# KiCad board KiBoxLite_H.kicad_pcb (continued)
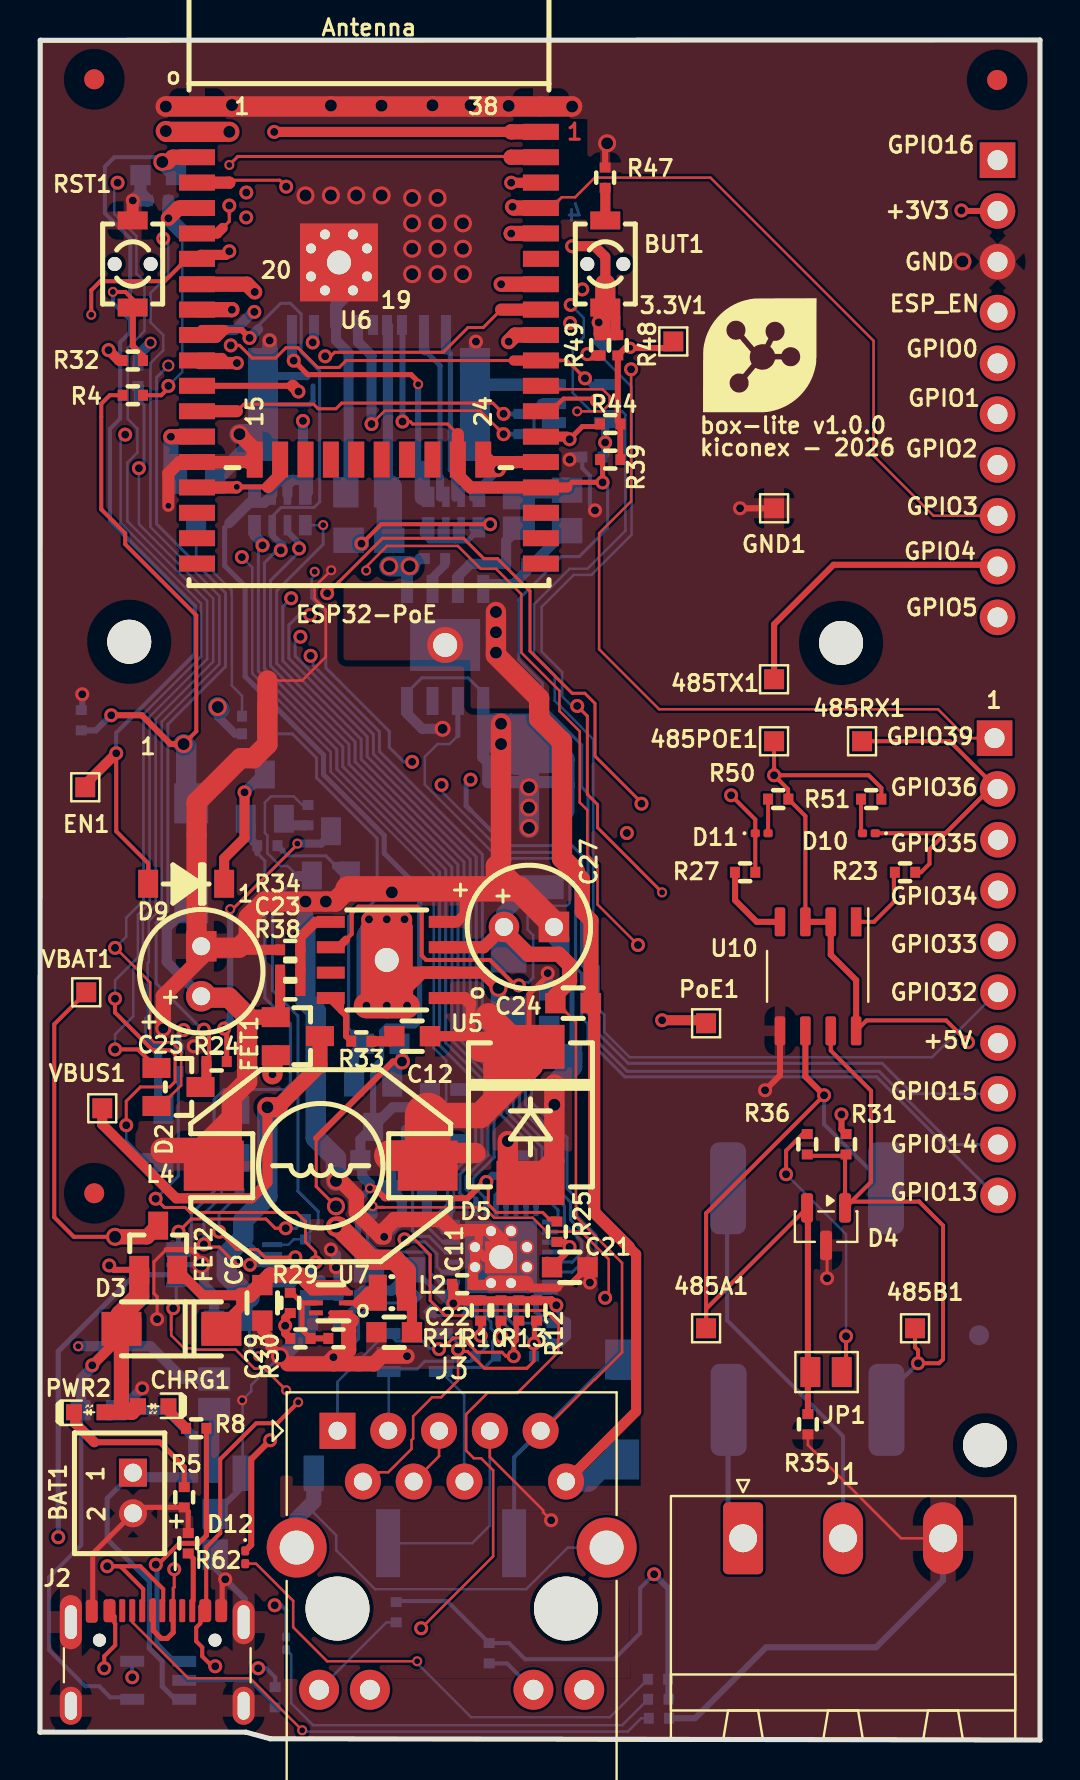
[diagram p0: board, top side]
## Routing (per net, layer and track width the routed paths; a pad name or vN(x,y) marks a point on that pad's centre or on a via; arc(x,y) is an arc through that point) (continued)
/GPIO2\HS2_DATA0: length 103.9
  Top w0.203: v1(3.75,34.53) 4.9,34.53 5.83,33.6
  Top w0.406: v1(22.92,63.52) 22.93,63.54 22.93,63.89
  Top w0.61: 23.31,63.89 22.94,63.52 v1(22.92,63.52) 22.42,64.02 U6.24 22.29,63.89 23.31,63.89 ; 23.31,63.89 23.82,63.89 23.82,63.9 U6.24
  Top w0.762: v1(22.92,63.52) 22.18,63.52
  In1.Cu w0.203: v1(22.92,63.52) 5.01,63.52 v1(4.95,63.59)
  In1.Cu w0.762: v1(22.92,63.52) 22.52,63.52
  In2.Cu w0.127: EXT1.7 47.86,63.78 46.6,63.78 42.21,68.16 42.21,69.98 39.08,73.11 26.73,73.11 24.26,70.64 23.31,70.64 21.99,69.31 21.99,64.45 v1(22.92,63.52)
  Bottom w0.127: v1(3.75,34.53) 3.75,35.28 4.67,36.19 4.67,38.54 5.15,39.02 5.15,41.08 5.79,41.72 5.79,51.04 8.66,53.92 8.66,57.08 4.95,60.8 v1(4.95,63.59)
  Bottom w0.152: 4.95,67.02 5.2,66.76 5.2,63.84 v1(4.95,63.59)
  Bottom w0.406: v1(22.92,63.52) 21.66,62.27 21.66,62.12
  Bottom w0.508: R46.1 4.95,67.65 4.95,67.02
/GPIO3\U0RXD: length 108
  Top w0.127: 47.89,61.21 44.69,61.21 41.69,64.21 41.69,69.96 33.53,78.12 27.74,78.12 26.76,77.14 26.09,77.14 25.61,76.66 v1(23.63,76.66)
  Top w0.762: v1(23.63,76.66) 23.69,76.6 U6.34
  In1.Cu w0.127: v1(6.17,75.07) 5.53,75.07 5.16,75.44 5.16,76.61 7.94,79.39 20.9,79.39 v1(23.63,76.66)
  Bottom w0.127: R16.1 5.84,34.56 5.28,35.12 5.28,36.08 5.38,36.19 5.38,38.84 5.44,38.9 5.44,40.95 6.09,41.59 6.09,50.91 8.97,53.79 8.97,57.2 5.53,60.65 5.53,68.84 6.17,69.48 6.17,70.24 5.53,70.88 5.53,72.35 6.41,73.24 6.41,74.82 v1(6.17,75.07)
  Bottom w0.406: D6.2 5.91,31.77 R19.2 R16.1
  Bottom w0.762: 5.92,31.76 D6.2
/GPIO5\SPI_CS: length 54.2
  Top w0.762: v1(23.44,69.92) 23.77,70.25 U6.29
  In2.Cu w0.11: v1(23.44,69.92) 24.53,69.92 25.81,68.64 25.81,62.8 24.87,61.86 24.87,55.12 26.06,53.93 26.06,51.59 27.46,50.19 27.46,46.29 28.96,44.79 36.54,44.79 47.89,56.13
/GPIO12\PHY_PWR: length 3.6
  Top w0.762: v1(6.55,65.16) 6.55,65.17 U6.14
  Bottom w0.762: v1(6.55,65.16) 6.55,63.33 T1.1
/GPIO13\I2C-SDA: length 68.3
  Top w0.254: 11.4,62.65 v6(9.84,62.65)
  Top w0.61: 11.4,62.65 12.01,63.26 U6.16 ; v6(9.84,62.65) 9.82,62.63 U6.16
  In1.Cu w0.15: v1(18.61,48.91) 18.93,48.91 v1(20.08,47.76)
  In2.Cu w0.152: 11.96,58.64 11.45,58.64 9.84,60.24 ; 13.69,58.39 13.74,58.44 v6(13.74,58.41)
  In2.Cu w0.203: 9.84,60.24 9.66,60.42 9.66,62.47 v6(9.84,62.65)
  In2.Cu w0.254: 11.96,58.64 13.44,58.64
  In2.Cu w0.508: 13.44,58.64 13.69,58.39
  Bottom w0.127: v6(13.74,58.41) 13.74,58.21 13.59,58.06 13.59,57.66 ; v1(20.08,47.76) 20.08,47.44 23.13,44.39
  Bottom w0.152: v1(18.61,48.91) 18.19,48.91 17.47,49.63 17.47,50.43 14.68,53.22 14.68,53.23 14.29,53.61 14.29,56.4 13.59,57.11 13.59,57.77 ; v6(13.74,58.41) 13.7,58.45 ; 23.13,44.39 26.31,44.39 26.79,43.9 26.79,38.61 27.09,38.31 27.09,36.11 27.4,35.8 27.4,35 29.25,33.16 41.84,33.16 47.77,27.23 48.34,27.23
/GPIO14\HS2_CLK: length 78.5
  Top w0.152: 9.84,66.44 10.19,66.79 13.68,66.79 13.91,66.56 14.8,66.56 15.09,66.84 22.65,66.84 v1(23.18,66.31)
  Top w0.61: U6.13 9.84,66.44
  In2.Cu w0.152: 24.63,64.87 24.63,52.9 23.95,52.21 23.95,49.42 23.22,48.68 ; v1(23.18,66.31) 23.19,66.31
  In2.Cu w0.254: 24.63,65.22 24.63,64.87
  In2.Cu w0.305: 23.22,48.68 22.07,48.68
  In2.Cu w0.508: 21.53,48.15 v1(21.53,48.02) ; 23.54,66.31 24.63,65.22
  In2.Cu w0.762: 22.07,48.68 21.53,48.15 ; 23.19,66.31 23.54,66.31
  Bottom w0.152: 23.31,44.72 26.61,44.72 27.1,44.23 27.1,38.74 27.4,38.44 27.4,36.31 27.68,36.03 27.68,35.12 29.36,33.44 41.96,33.44 45.63,29.77 EXT2.9 48.34,30.2 48.34,30.32 48.29,30.37
  Bottom w0.203: 21.53,46.49 23.31,44.72
  Bottom w0.254: 21.53,46.49 21.31,46.71 21.31,47.8 v1(21.53,48.02) ; R40.1 v1(23.18,66.31)
/GPIO15\HS2_CMD: length 72
  Top w0.152: v1(18.13,65.92) 18.51,65.92 18.64,65.8 20.39,65.8 20.9,65.29
  Top w0.254: 26.36,62.63 26.62,62.89 28.13,62.89 v1(28.14,62.88) 28.14,63.89 R39.2
  Top w0.508: 26.36,62.63 U6.23
  Top w0.61: 20.9,65.29 20.9,63.26 21.53,62.62 24.7,62.62 24.71,62.63 U6.23
  Bottom w0.152: 48.34,32.31 43.64,32.31 42.11,33.84 29.41,33.84 27.96,35.29 27.96,36.15 27.68,36.43 27.68,38.56 27.4,38.83 27.4,47.33 27.1,47.64 27.1,49.75 25.13,51.72 25.13,52.83 23.95,54.01 23.95,57.04 26.08,59.17 26.97,59.17 28.39,60.59 28.39,62.62 v1(28.14,62.88)
  Bottom w0.305: 18.1,70.75 18.13,70.72 v1(18.13,65.92)
/GPIO16\I2C-SCL: length 55.5
  Top w0.127: U6.27 25.23,67.54 28.14,67.54 28.49,67.18 28.49,66.81 28.12,66.43 v6(26.87,66.43)
  In1.Cu w0.127: v1(26.51,70.85) 26.25,70.59 12.12,70.59 11.31,71.4 v1(10.72,71.4)
  In1.Cu w0.203: EXT1.1 42.87,78.99 30.3,66.42 26.88,66.42 v6(26.87,66.43)
  In2.Cu w0.152: v6(26.87,66.43) 26.87,67.38 26.51,67.73 v1(26.51,70.85)
  Bottom w0.508: v1(10.72,71.4) 10.66,71.4 9.76,70.5 R45.2
/GPIO17\EMAC_CLK_OUT_180: length 72.4
  Top w0.152: U6.28 26.36,68.98 v1(27.26,68.08) ; 23.69,68.97 15.31,68.97 14.96,68.63 13.89,68.63 12.9,69.61 12.29,69.61 11.79,69.1 10.61,69.1 9.98,69.73 v1(9.54,69.73)
  Top w0.508: 25.09,68.97 23.69,68.97
  In2.Cu w0.152: v1(10.1,59.15) 9.26,59.98 9.26,69.45 v1(9.54,69.73)
  Bottom w0.127: 20.31,29.79 20.31,33.97 19.68,34.6 19.68,43.27 14.54,48.41 14.54,49.4 10.62,53.32 10.62,58.63 v1(10.1,59.15)
  Bottom w0.152: 20.31,29.79 18.64,28.11 18.64,25.46 18.91,25.19 19.45,25.19 20.24,24.39 U4.5
  Bottom w0.305: v1(27.26,68.08) 27.58,67.76 U8.4
/GPIO18\MDIO(RMII): length 62.3
  Top w0.152: 23.06,71.52 22.17,70.62 21.41,70.62 20.17,69.39 14.74,69.39 14.54,69.19 v1(14.26,69.19)
  Top w0.61: U6.30 23.06,71.52
  In2.Cu w0.152: v1(14.26,69.19) 14.14,69.19 13.78,68.83 13.78,61.13 v6(14.16,60.75)
  Bottom w0.127: v6(14.16,60.75) 14.16,60.74 RM2.4.2
  Bottom w0.152: 24.81,27.16 25.11,27.47 25.11,29.63 23.36,31.38 23.36,32.65 20.9,35.11 20.9,43.77 15.76,48.92 15.76,49.91 11.84,53.83 11.84,57.46 14.16,59.79 v6(14.16,60.75)
  Bottom w0.254: 24.81,27.16 U4.16
/GPIO19\EMAC_TXD0(RMII): length 84.2
  Top w0.762: v1(23.06,72.79) U6.31
  In1.Cu w0.127: v1(10.31,76.13) 10.31,76.39 10.99,77.07 10.99,77.99 11.37,78.37 19.95,78.37 22.8,75.51 22.8,73.18 23.06,72.92 v1(23.06,72.79)
  In2.Cu w0.152: v1(10.31,76.13) 10.31,74.37 8.05,72.1 8.05,59 ; 13.01,55.16 13.02,55.18 v1(13.02,55.16)
  In2.Cu w0.203: 8.05,59 11.61,55.44
  In2.Cu w0.305: 12.99,55.19 13.01,55.16
  In2.Cu w0.508: 12.99,55.19 12.74,55.44 11.61,55.44
  Bottom w0.152: 25.97,23.39 26.63,23.39 27.45,24.22 27.45,25.08 26.54,26 26.54,26.89 26.05,27.38 26.05,29.99 24.28,31.76 24.28,33.03 21.82,35.49 21.82,44.15 16.67,49.3 16.67,50.29 12.76,54.2 12.76,54.9 v1(13.02,55.16)
  Bottom w0.254: 25.97,23.39 U4.22
/GPIO21\EMAC_TX_EN(RMII): length 83.3
  Top w0.762: U6.33 23.57,75.33 v1(23.57,75.32)
  In1.Cu w0.127: v1(23.57,75.32) 20.21,78.68 11.17,78.68 10.32,77.83 v1(10.32,77.37)
  In2.Cu w0.152: 10.89,76.8 10.89,74.51 8.35,71.97 8.35,59.17 11.09,56.44
  In2.Cu w0.254: v1(13.51,56.26) 13.49,56.29 ; 11.09,56.44 11.71,56.44 11.86,56.29
  In2.Cu w0.508: 13.49,56.29 11.86,56.29 ; 10.89,76.8 v1(10.32,77.37)
  Bottom w0.152: v1(13.51,56.26) 12.96,56.26 12.45,55.74 12.45,54.08 16.37,50.16 16.37,49.17 21.51,44.03 21.51,35.37 23.97,32.91 23.97,31.64 25.73,29.87 25.73,27.18 26.23,26.68 26.23,25.79 27.1,24.93 27.1,24.37 26.62,23.89 25.97,23.89
  Bottom w0.254: 25.97,23.89 U4.21
/GPIO22\EMAC_TXD1(RMII): length 83.2
  Top w0.152: v6(9.47,78.75) 9.89,79.18 23.52,79.18 23.57,79.13
  Top w0.762: 23.57,79.13 23.57,79.14 U6.36
  In2.Cu w0.152: 13.53,54.24 13.53,54.25 v1(13.53,54.21) ; v6(9.47,78.75) 9.47,78.05 8.45,77.04 8.45,72.94 7.74,72.23 7.74,58.56 12.06,54.24 12.41,54.24
  In2.Cu w0.508: 13.53,54.24 12.41,54.24
  Bottom w0.152: 25.96,22.89 26.63,22.89 27.81,24.07 27.81,25.24 26.84,26.2 26.84,27.09 26.36,27.57 26.36,30.11 24.58,31.89 24.58,33.16 22.12,35.62 22.12,44.28 16.98,49.43 16.98,50.42 13.66,53.73 13.66,54.12 13.57,54.21 v1(13.53,54.21)
  Bottom w0.254: 25.96,22.89 U4.23
/GPIO23\MDC(RMII): length 77.9
  Top w0.508: v1(11.71,80.4) 23.57,80.4
  Top w0.762: U6.37 23.57,80.41 23.57,80.4
  In2.Cu w0.152: v1(11.71,80.4) 11.41,80.1 11.41,74.6 8.66,71.85 8.66,59.3 10.87,57.09 v1(12.56,57.09)
  Bottom w0.152: v1(12.56,57.09) 12.14,56.66 12.14,53.96 16.06,50.04 16.06,49.05 21.21,43.9 21.21,35.24 23.67,32.78 23.67,31.51 25.42,29.75 25.42,26.98 25.91,26.49 25.91,26.11 25.85,26.05
  Bottom w0.254: U4.17 25.7,25.89 25.85,26.05
/GPIO25\EMAC_RXD0(RMII): length 61.7
  Top w0.305: v1(10.48,70.1) 10.08,70.5 9.21,70.5
  Top w0.508: U6.10 7.99,70.12 8.83,70.12 9.21,70.5 8.1,70.5 U6.10
  In2.Cu w0.127: v1(12.04,59.49) 11.96,59.56
  Bottom w0.152: 10.48,70.28 v1(10.48,70.1) ; 10.91,70.72 10.91,70.54 10.91,70.71 12.04,71.84 12.52,71.84 13.06,71.3 13.06,69.38 13.99,68.45 13.99,61.91 13.71,61.63 12.06,61.63 11.62,61.18 RM2.2.2 ; 12.08,59.72 11.23,58.86 11.23,53.58 15.15,49.65 15.15,48.66 20.29,43.52 20.29,34.86 22.71,32.44 22.71,29.13 21.66,28.08 21.66,27.7 22.31,27.05
  Bottom w0.254: U4.11 22.31,27.05 ; 12.08,59.72 12.08,59.77 ; 11.62,60.23 RM2.2.2
  Bottom w0.305: 12.08,59.77 11.62,60.23
  Bottom w0.406: 12.14,59.77 12.08,59.72
  Bottom w0.508: 10.91,70.54 v1(10.48,70.1)
/GPIO26\EMAC_RXD1(RMII): length 53.6
  Top w0.508: U6.11 7.98,69.1 9.09,69.1 9.34,68.85
  Top w0.61: U6.11 7.99,68.85 v1(9.85,68.85)
  In2.Cu w0.203: 11.06,68.14 11.06,59.9 11.23,59.73
  In2.Cu w0.508: v1(9.85,68.85) 10.35,68.85 11.06,68.14
  Bottom w0.152: 21.81,27.04 21.3,27.55 21.3,28.16 22.41,29.26 22.41,32.31 19.99,34.73 19.99,43.39 14.84,48.54 14.84,49.53 10.92,53.45 10.92,59.42 11.23,59.73
  Bottom w0.254: U4.10 21.81,27.04
  Bottom w0.508: RM2.1.2 10.73,60.23 11.23,59.73
  vias: v1(11.13,59.73)
/GPIO27\EMAC_RX_CRS_DV: length 53.9
  Top w0.305: U6.12 12.64,67.71
  Top w0.61: 12.64,67.71 v1(12.93,67.42)
  In2.Cu w0.152: v1(12.93,67.42) 12.56,67.06 12.56,65.16 12.76,64.96 12.76,59.87 12.93,59.7
  Bottom w0.152: 24.31,27.17 24.81,27.67 24.81,29.5 23.06,31.26 23.06,32.53 20.6,34.98 20.6,43.65 15.45,48.79 15.45,49.78 11.53,53.7 11.53,57.98 12.93,59.38 12.93,59.7
  Bottom w0.254: 12.93,59.87 12.93,59.7 ; 24.31,27.17 U4.15 ; RM2.3.2 12.38,60.42
  Bottom w0.305: 12.38,60.42 12.93,59.87
  Bottom w0.406: 12.9,59.74 12.93,59.7
  vias: v1(12.96,59.58)
/GPIO32: length 84.2
  Top w0.762: v1(10.74,72.4) 10.35,72.79 U6.8
  In1.Cu w0.152: v1(26.54,71.75) 25.62,70.83 12.31,70.83 v1(10.74,72.4)
  Bottom w0.127: v1(26.54,71.75) 27.18,71.11 27.18,70.15 26.64,69.6 26.64,67.36 27.56,66.44 28.07,66.44 29.11,66.44 29.28,66.27 29.28,60.46 27.38,58.56 26.49,58.56 24.71,56.78 24.71,54.28 25.74,53.25 25.74,51.97 27.66,50.04 27.66,50.04 27.67,50.03 27.67,38.94 27.94,38.67 27.94,36.54 28.23,36.26 28.23,35.4 29.49,34.14 44.61,34.14 47.87,37.39 EXT2.6
/GPIO33: length 68.9
  Top w0.127: v6(16.31,58.47) 16.31,58.66 17.35,59.7 20.9,59.7 22.04,58.56 22.8,58.56 24.07,57.29 24.07,54.37 25.98,52.46 25.98,51.45 26.99,50.43 26.99,46.88 27.38,46.49 27.38,44.25 27.88,43.74 27.88,41.78 v1(29.91,39.75)
  Top w0.762: v1(9.6,71.51) 9.59,71.52 U6.9
  In1.Cu w0.305: v1(29.91,39.75) 47.73,39.75 EXT2.5
  In2.Cu w0.152: 15.1,67.02 15.06,67.07 15.06,68.96 15.07,68.97 15.07,69.41 15.06,69.42 15.06,69.74 14.09,70.7 10.41,70.7 v1(9.6,71.51)
  In2.Cu w0.203: 15.1,59.05 15.1,67.02
  In2.Cu w0.254: 15.68,58.47 15.1,59.05
  In2.Cu w0.305: v6(16.31,58.47) 15.68,58.47
  Bottom w0.152: 48.16,39.75 48.34,39.93
  Bottom w0.508: v1(9.6,71.51) R45.1
/Led1: length 38.8
  Top w0.127: 25.25,21.48 25.93,20.79 25.93,20.06 25.91,20.04 25.91,19.39 23.88,17.36 22.38,17.36 21.31,16.29 21.31,14.47 21.7,14.09 22.06,14.09 22.66,13.49 22.66,9.19 v1(19.06,5.59)
  Top w0.152: 25.25,21.48 21.66,21.48 21.41,21.22 20.26,21.22 19.51,21.97 19.51,24.26 18.74,25.03 v1(18.23,25.03)
  In1.Cu w0.11: v1(19.06,5.59) 19.06,5.08 J3.12
  Bottom w0.152: 20.12,23.39 19.86,23.66 19.86,24.3 19.25,24.9 18.36,24.9 v1(18.23,25.03)
  Bottom w0.254: U4.3 20.12,23.39
/Led2: length 44
  Top w0.127: 17.21,26.63 22.2,26.63 22.72,26.11 24.64,26.11 25.34,25.41 27.07,25.41 28.44,24.04 28.44,22.29 v1(28.26,22.11)
  Top w0.152: v6(16.63,26.69) 16.69,26.63 17.21,26.63
  In1.Cu w0.11: J3.14 27.22,3.82 30.09,6.7 30.09,20.28 v1(28.26,22.11)
  Bottom w0.152: 19.99,22.89 19.5,23.38 19.5,24.22 19.32,24.4 16.96,24.4 16.37,24.99 16.37,25.99 ; 16.51,26.57 v6(16.63,26.69)
  Bottom w0.254: U4.2 19.99,22.89 ; 16.37,25.99 16.63,26.25
  Bottom w0.508: 16.63,26.25 v6(16.63,26.69)
/PoE_OUT: length 43.6
  Top w0.254: 24.96,35.09 24.45,35.59 24.45,37.29 25.39,38.23 v1(25.39,38.34)
  Top w0.508: 21.53,35.19 21.53,36.81 21.52,36.83 ; 21.53,35.19 22.07,34.65 ; 21.53,35.19 C12.1 ; 23.98,34.65 D5.1 24.96,35.09 ; 33.31,35.99 v1(31.11,35.99)
  Top w0.61: 21.52,36.83 21.24,37.1 U5.1
  Top w1.016: 21.79,29.35 20.03,29.35 L4.1 18.88,29.22
  Top w1.27: 22.8,32.02 22.8,33.67 23.79,34.65 D5.1 24.53,33.74 22.8,32.02 ; 22.8,32.02 22.01,31.22 19.39,31.22 ; 23.98,34.65 22.42,36.21
  Top w1.524: 18.88,29.22 17.47,29.22 ; D5.1 22.07,34.65
  Top w2.286: L4.1 19.39,31.22
  In1.Cu w0.508: v1(25.39,38.34) 28.76,38.34 v1(31.11,35.99)
  Bottom w0.406: R43.2 25.39,37.55
  Bottom w0.508: 25.39,37.55 v1(25.39,38.34)
/RD+: length 11.6
  Top w0.254: R11.2 v1(22.04,20.21)
  Bottom w0.127: J3.3 17.44,15.48 TVS1.1
  Bottom w0.152: 21.81,21.2 21.81,21.2 22.24,20.76 22.24,20.41 v1(22.04,20.21) 22.33,19.92 22.33,19.65 21.87,19.19 TVS3.1 21.53,18.94 19.25,18.94 18.87,18.55 17.98,18.55 17.85,18.43 TVS1.1
  Bottom w0.254: U4.31 21.81,21.2
/RD-: length 13.2
  Top w0.254: v1(23.06,20.17) 22.93,20.3 22.93,20.84 R10.2
  Bottom w0.127: TVS1.5 21.21,17.25 21.21,12.94 21.23,12.92
  Bottom w0.152: TVS1.5 20.24,18.63 22.24,18.63 TVS3.2 22.63,19.36 22.63,19.91 22.89,20.17 v1(23.06,20.17) 22.97,20.17 22.55,20.59 22.55,20.91 22.31,21.15 22.31,21.21
  Bottom w0.254: U4.30 22.31,21.21
/TD+: length 17.9
  Top w0.152: v1(23.69,19.19) 23.3,19.19 23.1,19.39 21.86,19.39 21.14,20.1 20.67,20.1 20.11,19.55 v1(19.96,19.55)
  Top w0.254: R13.2 23.82,20.84 23.82,19.98 23.69,19.85 v1(23.69,19.19)
  Bottom w0.127: TVS1.3 17.3,20.33 14.88,17.9 J3.1
  Bottom w0.152: v1(23.69,19.19) 23.69,19.95 23.67,19.98 23.67,20.36 22.81,21.22 ; v1(19.96,19.55) 19.93,19.57 19.5,19.57 19.12,19.95 17.82,19.95 TVS1.3
  Bottom w0.254: U4.29 22.81,21.22
/TD-: length 20.2
  Top w0.127: J3.2 16.51,12.92 16.98,13.39 17.41,13.39 18.58,14.56 18.58,14.99 18.66,15.07 18.66,16.19 19.61,17.14 20.06,17.14 20.91,17.98 v1(20.91,19.52)
  Top w0.152: v1(20.91,19.52) 21,19.42 21.39,19.42 22.23,18.59 24.35,18.59 24.71,18.94 v1(24.71,19.82)
  Top w0.254: R12.2 24.73,20.86 24.73,19.84 v1(24.71,19.82)
  Bottom w0.152: 23.31,21.23 23.31,21.16 24.64,19.82 v1(24.71,19.82) ; TVS1.4 20.4,20.33 20.91,19.81 v1(20.91,19.52)
  Bottom w0.254: U4.28 23.31,21.23 ; TVS2.1 v1(24.71,19.82)
Spare1: length 77.5
  Top w0.127: C24.1 25.85,36.84 26.8,35.89 26.8,26.16 29.11,23.85 29.11,19.38 27.76,18.04 27.75,18.04 25.17,15.46 J3.9
  Top w0.61: C27.1 22.19,39.64 U5.3
  Top w0.762: C27.1 23.2,40.51 24.42,39.29 25.95,39.29 26.49,38.75 26.49,37.94 25.77,37.22 C24.1
  In1.Cu w0.762: 18.49,57.67 v3(18.49,58.69) ; 18.49,57.67 v3(17.47,58.69) ; 18.49,57.67 18.49,54.11 21.41,51.19 21.41,49.73 23.31,47.83 23.2,47.72 C27.1
  In1.Cu w1.016: v3(17.47,58.69) v3(18.49,58.69)
  Bottom w0.127: J3.9 28.47,18.9 D8.1 D8.1
  Bottom w0.203: R7.1 23.71,14.14 J3.9
  Bottom w0.508: U9.1 18.36,58.56 v3(18.49,58.69) 18.61,58.69 18.99,59.07 R52.1
  Bottom w0.762: R42.1 23.2,41.35 C27.1 ; 23.69,10.91 23.71,10.89 R7.1
  Bottom w1.016: 23.57,39.13 23.2,39.49 C27.1 ; 23.69,39.38 R28.2 ; v3(17.47,58.69) v3(18.49,58.69)
Spare2: length 56.7
  Top w0.508: 29.45,24.65 29.81,24.29 29.81,16.43 J3.10
  Top w0.61: 29.45,24.65 27.72,26.39 27.72,36.68 C24.2
  Top w0.762: C24.2 27.55,40.98 27.12,41.41 27.12,43.07 26.74,43.45
  Top w1.016: v3(22.8,56.4) v3(22.8,55.38) v3(22.8,54.37) 22.8,54.24 24.96,52.08 24.96,51.07 26.11,49.92 26.11,44.08 26.74,43.45
  Bottom w0.508: D8.2 28.52,14.02 ; U9.4 22.42,57.8 23.69,57.8 24.33,58.43 R53.2 24.64,58.81 26.3,60.46 R54.1
  Bottom w1.016: J3.10 27.42,12.92 28.52,14.02
Net-(BAT_SENS_E1-Pad2): length 3.4
  Bottom w0.508: R17.2 8.71,13.17 BAT_SENS_E1.2
Net-(BUT1-Pad2): length 1.6
  Top w0.508: BUT1.2 28.27,77.6 R47.1
Net-(C2-Pad1): length 20.7
  Bottom w0.127: J3.SH 26.4,9.62 24.31,7.54 16.76,7.54 14.81,9.49 14.81,10.24 13.69,11.36 13.69,11.92
  Bottom w0.762: C2.1 13.69,11.92 12.84,11.07
Net-(C10-Pad2): length 23
  Bottom w0.152: 15.69,35.32 15.44,35.57 15.44,41.18 15.91,41.66 16.45,41.66 16.86,42.08 16.86,45.08 13.83,48.12 13.83,49.1 12.62,50.3 11.63,50.3
  Bottom w0.406: C10.2 15.69,35.32
  Bottom w0.508: 11.63,50.3 R2.2 R3.1 ; C10.2 15.71,34.32 FET3.1
Net-(C12-Pad2): length 1.2
  Top w0.508: R33.2 17.47,34.94 C12.2
Net-(C26-Pad1): length 6.3
  Bottom w0.406: R43.1 25.72,35.7 25.77,35.65 25.77,35.24 25.41,34.87 ; R43.1 25.17,35.4 25.17,34.63 C26.1 25.41,34.87 ; R43.1 25.47,34.94 25.41,34.87 ; R43.1 25.47,35.57 24.58,34.68 24.58,34.3
Net-(CHRG1-K): length 1.5
  Top w0.508: R8.1 6.43,16.47 CHRG1.1
Net-(Class4_EN1-Pad1): length 2.6
  Bottom w0.61: Class4_EN1.1 24.2,62.37 26.23,62.37 R54.2
Net-(D3-K): length 13.1
  Top w0.254: 14.93,22.62 15.23,22.62 15.49,22.36 15.48,22.36 U7.3 ; 13.41,22.87 13.8,22.48 U7.4
  Top w0.508: 6.86,23.51 8.13,22.24 10.06,22.24 10.06,21.67 8.95,20.56
  Top w0.762: 6.86,23.51 6.86,23.4 ; 14.93,22.62 13.66,22.62 13.02,23.25 11.5,23.25 10.48,22.24 10.06,22.24
Net-(D9-K): length 6.4
  Top w0.508: D9.1 9.21,44.08 10.23,45.1 v1(10.23,47.38)
  Bottom w0.508: Q2.3 11.12,48.27 v1(10.23,47.38)
Net-(D10-A): length 1.7
  Top w0.203: D10.2 41.06,45.41 R51.1
Net-(D11-A): length 1.7
  Top w0.203: D11.2 R50.1
Net-(D12-A): length 24.9
  Top w0.127: v6(18.86,3.94) 14.36,3.94 12.66,5.64 12.66,6.96 10.8,8.82 D12.2
  Bottom w0.127: v6(18.86,3.94) 18.86,3.84 21.56,1.14 28.5,1.14 R56.2
Net-(D12-K): length 27.4
  Top w0.152: v1(10.5,23.76) 9.85,23.76 8.96,24.65 8.33,24.65 v1(8.2,24.78)
  Top w0.305: v1(11.51,14.99) 10.56,14.04 10.56,9.76 D12.1
  In1.Cu w0.152: 10.51,22.99 10.31,22.79 10.31,18.67 12.31,16.67 12.31,15.79 v1(11.51,14.99) ; 10.51,23.75 v1(10.5,23.76)
  In1.Cu w0.762: 10.51,22.99 10.51,23.75
  Bottom w0.152: v1(8.2,24.78) 8.2,26.3 9.09,27.19 9.09,30.37 9.47,30.75
  Bottom w0.254: v1(10.5,23.76) U1.8
  Bottom w0.508: 9.47,30.75 9.97,31.25 D6.1
Net-(D13-A): length 21.6
  Bottom w0.127: R37.2 29.12,0.74 13.66,0.74 12.56,1.84 12.56,4.26 D13.2
Net-(D13-K): length 32.1
  Top w0.152: v1(12.77,24.14) 11.25,24.14 10.87,24.52 9.85,24.52 v1(8.96,25.41)
  In1.Cu w0.254: 8.96,19.49 10.81,17.63
  In1.Cu w0.305: v1(11.74,6.74) 11.06,7.41 11.06,8.74 10.81,8.99 10.81,17.63 ; 8.96,24.59 8.96,19.49
  In1.Cu w0.508: 8.96,24.59 v1(8.96,25.41)
  Bottom w0.152: v1(8.96,25.41) 8.96,26.3 9.72,27.06
  Bottom w0.203: D13.1 12.31,6.49 12.06,6.74 v1(11.74,6.74)
  Bottom w0.254: U1.9 12.4,23.26 12.64,23.51 12.64,24.01 v1(12.77,24.14)
  Bottom w0.406: 9.72,27.06 R18.2 9.97,27.32 D7.2
Net-(J1-Pin_1): length 5.4
  Bottom w0.254: J1.1 34.41,10.84 34.41,15.14
Net-(J1-Pin_2): length 20
  Bottom w0.203: J1.2 40.16,15.19 34.36,20.99 34.36,27.44 34.51,27.59
Net-(J2-CC1): length 28.9
  Top w0.127: v6(13.11,0.49) 10.51,3.09 7.42,3.09 4.61,5.89 J2.A5
  Bottom w0.127: R63.2 30.06,1.09 29.4,0.42 13.18,0.42 v6(13.11,0.49)
Net-(J2-CC2): length 2.5
  Top w0.254: 7.66,6.97 7.66,9.08 R62.1
Net-(J3-Pad11): length 5.2
  Bottom w0.127: J3.11 17.33,5.88 R58.1
Net-(J3-Pad13): length 2.8
  Bottom w0.203: J3.13 23.36,3.83 R57.2
Net-(J3-RCT): length 32.5
  Top w0.127: J3.5 19.96,14.19 J3.4
  Top w0.406: v1(25.82,21.74) 25.58,21.98 R12.1 R13.1 R10.1 R11.1
  Top w0.508: v1(20.67,21.83) 20.67,22.72 C11.1 ; v1(20.67,21.83) 20.64,21.86 ; v1(20.67,21.83) 20.82,21.98 R11.1
  In1.Cu w0.11: J3.5 19.06,16.36 19.06,20.22 v1(20.67,21.83)
  Bottom w0.152: 25.34,20.21 24.71,20.84 24.2,20.84 23.81,21.23
  Bottom w0.203: v1(25.82,21.74) 25.82,21.48 26.46,20.84
  Bottom w0.254: U4.1 19.85,22.39 ; U4.1 20.52,22.3 20.52,21.98 v1(20.67,21.83) 20.42,21.83 20.26,21.98 ; U4.1 20.42,22.39 20.26,22.24 20.26,21.98 ; 19.85,22.39 18.74,23.51 L1.2 18.61,23.51 ; 19.85,22.39 20.26,21.98 ; 25.34,20.21 25.6,19.95 C15.1 ; U4.27 23.81,21.23
  Bottom w0.406: 26.36,20.94 26.36,20.18 26,19.82 C15.1 ; 18.36,23.51 18.36,23.44 ; 15.31,20.84 15.31,21.14 15.95,21.78 C16.1
  Bottom w0.508: C16.1 16.17,22.47 17.6,22.47 18.36,23.22 18.36,23.44 ; L1.2 18.36,23.51
Net-(JP1-B): length 14.4
  Top w0.152: 40.47,18.4 39.97,18.4
  Top w0.203: 40.47,18.4 40.31,18.55 v1(40.31,20.19) ; v1(37.31,28.29) 37.31,29.47 38.14,30.29 R36.2 38.37,30.22
  Bottom w0.127: v1(40.31,20.19) 40.31,25.29 v1(37.31,28.29)
Net-(MICRO_SD1-CD/DAT3/CS): length 9
  Bottom w0.254: 20.01,63.13 20.01,68.72 19.25,69.48
  Bottom w0.406: 20.01,62.12 20.01,63.13
  Bottom w0.508: 19.25,69.48 19.2,69.53 19.2,70.75
Net-(MICRO_SD1-CLK/SCLK): length 13.4
  Top w0.127: v1(16.58,65.8) 17.24,66.46 22.01,66.46 v1(23.18,65.29)
  Bottom w0.254: R40.2 v1(23.18,65.29)
  Bottom w0.508: 15.9,70.75 15.9,69.9 16.58,69.23 v1(16.58,65.8)
Net-(MICRO_SD1-DAT0/DO): length 11.1
  In1.Cu w0.127: v1(13.64,69.88) 13.15,70.36 12.03,70.36 11.64,70.75 9.72,70.75 8.83,69.86 v2(5.53,69.86)
  Bottom w0.508: 13.7,70.75 13.7,69.94 v1(13.64,69.88) ; R46.2 4.9,69.23 v2(5.53,69.86)
Net-(MICRO_SD1-DAT1/RES): length 14.4
  Top w0.254: v6(18.91,67.79) 18.91,67.91 18.56,68.27 13.39,68.27 v1(12.69,68.97)
  Bottom w0.305: v6(18.91,67.79) 18.91,63.79 19.12,63.58
  Bottom w0.508: v1(12.69,68.97) 12.6,69.05 12.6,70.75
  Bottom w0.762: 19.12,63.58 19.12,62.12
Net-(MICRO_SD1-DAT2/RES): length 8.8
  Bottom w0.254: 20.3,69.52 20.52,69.31 20.52,63.51 20.77,63.26
  Bottom w0.406: 20.77,62.12 20.77,63.26
  Bottom w0.508: 20.3,70.75 20.3,69.52
Net-(MICRO_SD1-VDD): length 10.7
  Bottom w0.508: 17.4,62.68 17.4,70.7 17.35,70.75
  Bottom w1.27: L5.2 17.47,62.62
Net-(PWR2-K): length 7.9
  Top w0.254: 5.98,14.89 7.21,13.66 R5.1 ; 1.76,16.32 PWR2.1
  Top w0.305: 5.98,14.89 2.71,14.89
  Top w0.508: 2.71,14.89 1.76,15.84 1.76,16.32
Net-(Q2-B): length 2.5
  Bottom w0.254: 12.26,45.61 13.28,45.61 R20.2
  Bottom w0.305: R20.2 13.3,45.83 12.42,45.83 Q2.1
Net-(Q2-E): length 28.8
  Bottom w0.152: 10.87,44.34 11.25,43.95 11.25,37.1 12.52,35.83 12.52,32.78 12.26,32.52 9.21,32.52 8.71,32.02 8.71,27.44 7.56,26.3 7.56,24.4 7.43,24.26
  Bottom w0.254: U1.4 7.43,24.26
  Bottom w0.305: Q2.2 10.64,45.72 10.64,44.95 R21.1 10.87,44.34
  Bottom w0.406: R21.1 10.1,45.48 10.1,45.99
Net-(Q3-B): length 5.2
  Bottom w0.152: 14.8,43.7 14.29,44.21 12.39,44.21 12.14,44.46
  Bottom w0.305: R21.2 12.14,44.46
  Bottom w0.406: 15.44,43.32 15.18,43.32 14.8,43.7 15.15,43.7 15.63,43.23
Net-(Q3-C): length 14.6
  Top w0.152: v6(12.87,44.82) 12.87,44.78 9.63,41.54 v6(9.51,41.54)
  Top w0.254: v1(9.21,35.57) 9.34,35.45 R24.1
  Bottom w0.305: v6(9.51,41.54) 9.51,35.87
  Bottom w0.406: 14.68,45.44 14.06,44.82 v6(12.87,44.82)
  Bottom w0.508: 9.51,35.87 v1(9.21,35.57)
Net-(Q3-E): length 29.4
  Bottom w0.127: R55.1 12.69,25.03 12.42,24.76 U1.6 ; R20.1 13.12,46.75 12.69,47.18 11.55,47.18 11.25,46.88 11.25,45.35 11.37,45.22 11.37,44.34 12.01,43.7 12.39,43.7 12.9,43.19
  Bottom w0.152: 12.9,43.19 11.63,41.92 11.63,37.48 12.9,36.21 12.9,27.44 13.91,26.43 13.91,25.84 13.28,25.2 R55.1
  Bottom w0.508: Q3.2 13.56,43.19 12.9,43.19
Net-(R28-Pad1): length 30
  Top w0.508: 17.98,38.37 U5.9
  Top w0.61: v3(22.93,37.6) 22.17,38.37 U5.2 ; v1(18.36,36.72) 18.36,37.6 19.12,38.37 U5.2 ; U5.2 17.98,38.37
  Top w0.762: v1(17.34,41.03) U5.9 ; v1(17.34,41.03) v1(16.45,41.03) 16.45,40.3 ; v1(17.34,41.03) v1(18.23,41.03) 18.23,40.53
  Top w1.27: v1(16.33,36.72) v1(18.36,36.72) ; U5.9 v1(17.34,36.72)
  In1.Cu w3.048: U5.9 19.12,39
  Bottom w0.762: v3(22.93,37.6) 22.93,36.97 23.57,36.33 ; 16.58,40.14 16.58,40.27 v1(17.34,41.03)
  Bottom w1.27: 17.85,37.22 17.85,39.38 17.72,39.38 U5.9 17.85,39.51 17.85,40.02
  Bottom w1.524: 16.58,40.14 16.58,37.22
Net-(T1-C): length 10.6
  Bottom w0.127: R3.2 10.1,52.21 9.6,52.72 9.6,57.29 9.58,57.31 9.58,57.48 7.81,59.25 T1.3
Net-(U1-CTS#): length 7.7
  Top w0.152: v1(12.29,25.59) 11.76,25.59 11.3,26.05 7.56,26.05 v1(6.93,25.41)
  Bottom w0.152: v1(12.29,25.59) 12.82,25.59 R55.2
  Bottom w0.254: U1.5 6.93,24.88 v1(6.93,25.41)
Net-(U1-V3): length 19.7
  Top w0.152: v1(13.79,23.89) 13.79,24.4 13.28,24.9 13.28,25.92 12.82,26.38 7.52,26.38 7.27,26.63 6.22,26.63 v1(5.79,27.06)
  Bottom w0.152: v1(5.79,27.06) 5.79,27.06 6.91,28.19 6.91,32.89 6.93,32.91
  Bottom w0.254: C8.1 13.15,23.25 12.66,22.76 U1.10 ; v1(13.79,23.89) 13.79,23.76
  Bottom w0.305: R19.1 6.93,32.91
  Bottom w0.508: 13.79,23.76 C8.1
Net-(U3-CHRGb): length 14.2
  Top w0.203: v1(5.79,8.77) 5.89,8.77 6.96,9.83
  Top w0.254: R8.2 8.32,10.22 7.93,9.83 6.96,9.83
  Bottom w0.254: v1(5.79,8.77) 5.85,8.71 5.85,4.8 6.71,3.94 U3.1
Net-(U3-PROG): length 8.8
  In1.Cu w0.203: v1(10.91,3.59) 10.46,3.14 9,3.14 8.99,3.13 8.53,3.13 8.53,3.14 v1(4.61,3.14)
  Bottom w0.203: v1(10.91,3.59) 11.31,3.59 11.76,3.14 11.76,2.74 ; U3.5 v1(4.61,3.14) 4.61,3.09
Net-(U4-NRST): length 3.5
  Top w0.305: R25.1 26.23,24.9 v1(26.49,24.65) 26.49,24.51 C21.2
  Top w0.508: 25.37,23.63 25.37,23.91
  Bottom w0.254: U4.19 26.24,24.89 v1(26.49,24.65)
Net-(U4-RBIAS): length 2.4
  Bottom w0.152: 21.15,21.22 19.72,21.22
  Bottom w0.254: U4.32 21.31,21.38 21.15,21.22 ; 19.5,21.48 19.63,21.48
  Bottom w0.305: 19.72,21.22 R26.1
Net-(U4-RXCLK/PHYAD1): length 5.6
  Bottom w0.152: 20.16,25.39 19.88,25.67 19.88,26.3 20.39,26.81 20.39,28.59 21.03,29.22 21.03,29.48
  Bottom w0.254: 20.16,25.39 U4.7
  Bottom w0.305: RM1.1.2 21.03,29.48
Net-(U4-RXD2/RMIISEL): length 6.3
  Bottom w0.152: 21.66,31.38 22.1,30.94 22.1,29.39 21,28.29 21,27.34 21.31,27.04
  Bottom w0.254: RM1.3.2 21.41,31.64 21.66,31.38 ; U4.9 21.31,27.04
Net-(U4-RXD3/PHYAD2): length 6.2
  Bottom w0.152: 20.52,26.3 20.69,26.48 20.69,28.41 21.79,29.5 21.79,30.62 21.53,30.87
  Bottom w0.254: 20.52,26.3 20.52,25.98 U4.8
  Bottom w0.305: 21.53,30.87 RM1.2.2
Net-(U4-RXER/RXD4/PHYAD0): length 2
  Bottom w0.254: R41.2 24.07,28.08 24.07,27.83 23.31,27.06 U4.13
Net-(U4-VDDCR): length 3.8
  Bottom w0.152: C18.1 19.12,25.92 20.15,24.89 20.21,24.89
  Bottom w0.254: U4.6 20.21,24.89
  Bottom w0.406: 19.63,27.44 19.63,27.19
  Bottom w0.508: C18.1 19.35,26.27 C17.1
Net-(U5-BS): length 3.6
  Top w0.305: R33.1 15.31,35.19 15.31,36.21 15.06,36.46 ; 15.06,36.46 14.54,36.98 U5.8 14.78,37.1 15.06,36.82 15.06,36.46
Net-(U5-EN): length 36.3
  Top w0.152: v1(23.95,37.73) 23.92,37.73
  Top w0.203: 23.92,37.73 23.77,37.73 22.5,39 19.31,39 19.09,39.22 19.09,41.44 18.87,41.67 15.92,41.67 15.59,41.33 15.59,40.3 15.31,40.02
  Top w0.406: 15.31,40.02 14.93,39.64 U5.6
  Bottom w0.127: v1(23.95,37.73) 24.1,37.88 24.44,37.88 24.66,38.11 24.66,40.24 24.39,40.51 24.39,41.44 24.66,41.71 26.35,41.71 26.49,41.85 26.49,43.57 25.98,44.08 22.93,44.08 19.25,47.76 19.25,49.16 19.88,49.8 20.48,49.8 20.9,50.21
  Bottom w0.254: 20.9,50.21 20.9,51.95
Net-(U5-FB): length 4.5
  Top w0.508: U5.5 13.79,40.91 13.02,40.14 R34.1 C23.2 R38.2
Net-(U7-FB): length 4.3
  Top w0.254: C29.1 13.1,20.51 13.1,21.86 ; R29.1 12.59,22.36 13.1,21.86 ; 13.1,21.86 U7.5
  Top w0.305: R30.1 C29.1
Net-(U7-SW): length 3.3
  Top w0.254: U7.2 15.95,21.86
  Top w0.61: 16.45,22.36 L2.1 16.9,21.86 15.95,21.86 16.45,22.36
Net-(U9-CLS): length 5.3
  Bottom w0.508: 20.9,57.55 20.9,58.18 21.53,58.81 R53.1 23.31,59.96 Class4_EN1.2
Net-(U9-DEN): length 1.8
  Bottom w0.406: R52.2 20.26,58.76 19.63,58.13 U9.2
Net-(U10-DI): length 4.1
  Top w0.305: R27.2 34.76,43.38 34.76,41.99 35.84,40.91 U10.4
Net-(U10-RO): length 3.9
  Top w0.203: 42.83,43.41 42.81,43.39 R23.2 42.71,43.34 42.71,41.9 41.71,40.91 U10.1

## Copper pours and planes (outline as drawn; the poured copper is in the pictures)
+3.3V on In2.Cu: 49.77,50.57 0.13,50.63 0.15,84.85 49.92,84.77
+5V on In2.Cu: 62.17,97.49 -8.95,97.49 -8.95,-11.26 62.17,-11.26
+5VP on Top: 4.77,27.44 4.77,31.38 6.42,31.38 8.58,33.54 12.14,33.54 12.26,30.62 10.99,29.35 10.99,27.44
GND on Top: 26.36,27.7 22.68,27.7 22.6,30.42 25.67,33.49 26.36,33.41
GND on Top: 29.53,3.06 12.63,3.06 12.63,9.22 12,9.86 11.87,11.44 29.4,11.44
GND on Top: 52.75,-3.26 -1.33,-3.26 -1.33,89.49 52.75,89.49
GND on Bottom: 29.53,3.06 13.41,3.06 13.41,8.78 12.77,9.41 12.77,11.95 16.45,11.95 16.45,10.55 18.36,8.65 27.5,8.65 27.5,11.95 29.53,11.95
GND on Bottom: 57.09,-6.01 -3.87,-6.01 -3.87,91.74 57.09,91.74
GND on In1.Cu: 29.53,3.09 12.64,3.09 12.64,9.25 12.01,9.88 12.01,11.47 29.53,11.47
GND on In1.Cu: -6.41,-8.26 59.63,-8.26 59.63,94.99 -6.41,94.99
GND on In2.Cu: 29.53,3.07 12.64,3.07 12.64,9.23 12.01,9.86 12.01,11.45 29.53,11.45
GND on In2.Cu: 2.74,3.06 2.74,25.54 5.15,25.54 8.33,22.49 8.33,18.81 6.8,17.28 6.8,12.2 8.45,12.2 10.1,13.86 11.12,13.86 11.12,3.06
/PoE_OUT on Top: 11.37,26.3 14.29,26.3 14.29,28.21 24.96,28.21 26.11,29.35 26.11,39.64 20.52,39.64 20.52,36.33 19.12,36.33 11.37,29.1
Spare2 on Top: 25.47,51.57 25.47,52.72 23.95,54.24 23.95,59.7 17.09,59.7 15.18,57.8 15.18,53.99 21.53,53.99 21.53,51.57
Spare2 on Bottom: 23.69,58.05 23.69,52.84 15.31,52.97 15.31,58.18
Spare2 on In1.Cu: 23.31,52.34 23.31,59.45 18.99,59.45 18.99,53.61 20.9,51.7 22.55,51.7
Spare2 on In2.Cu: 23.57,59.19 22.04,59.19 19.12,56.27 19.12,52.72 23.57,52.72
Net-(R28-Pad1) on Bottom: 19.12,35.32 19.12,41.54 17.6,43.07 16.83,43.07 14.55,40.78 14.55,35.32
Net-(R28-Pad1) on In1.Cu: 7.31,36.08 9.09,36.08 9.09,50.18 9.34,50.18 9.34,59.45 18.49,59.45 18.49,53.99 21.03,51.45 21.41,50.81 22.04,48.91 22.8,48.15 22.8,45.86 24.58,44.08 24.58,39 25.09,38.49 25.09,32.4 22.68,29.98 22.68,28.08 8.2,28.08 7.31,28.97

Small or netless copper shapes (teardrops, artwork), in the pictures only: 132 on Top, 119 on Bottom, 29 on In1.Cu, 25 on In2.Cu

## Text on the board
Bottom: 4
B.Silkscreen: o | 1 | + | Compliant | RoHS | (C) 2025 | www.kiconex.com | Rev.M | -
User.Comments: 4 Layer PCB, 8Errors , 31Warnings / Dimensions: 28x80mm
Top: 1
F.Silkscreen: box-lite v1.0.0 | kiconex - 2026 | 1 | ESP32-PoE | +5V | +3V3 | GND | GPIO39 | GPIO16 | GPIO36 | GPIO35 | GPIO34 | GPIO33 | GPIO32 | GPIO15 | GPIO14 | GPIO13 | ESP_EN | GPIO4 | GPIO2 | GPIO5 | GPIO0 | GPIO3 | GPIO1 | +
In1.Cu: 2
In2.Cu: 3
